# Altium PCB 42Motor_Control.PcbDoc
Units mm, origin at the board's own origin, x right, y up, seen from the top; angles counter-clockwise.
Board outline 66 x 58 mm, 2 copper layers (Top Layer, Bottom Layer); 48 components, 43 nets, 207 pads, 232 vias.
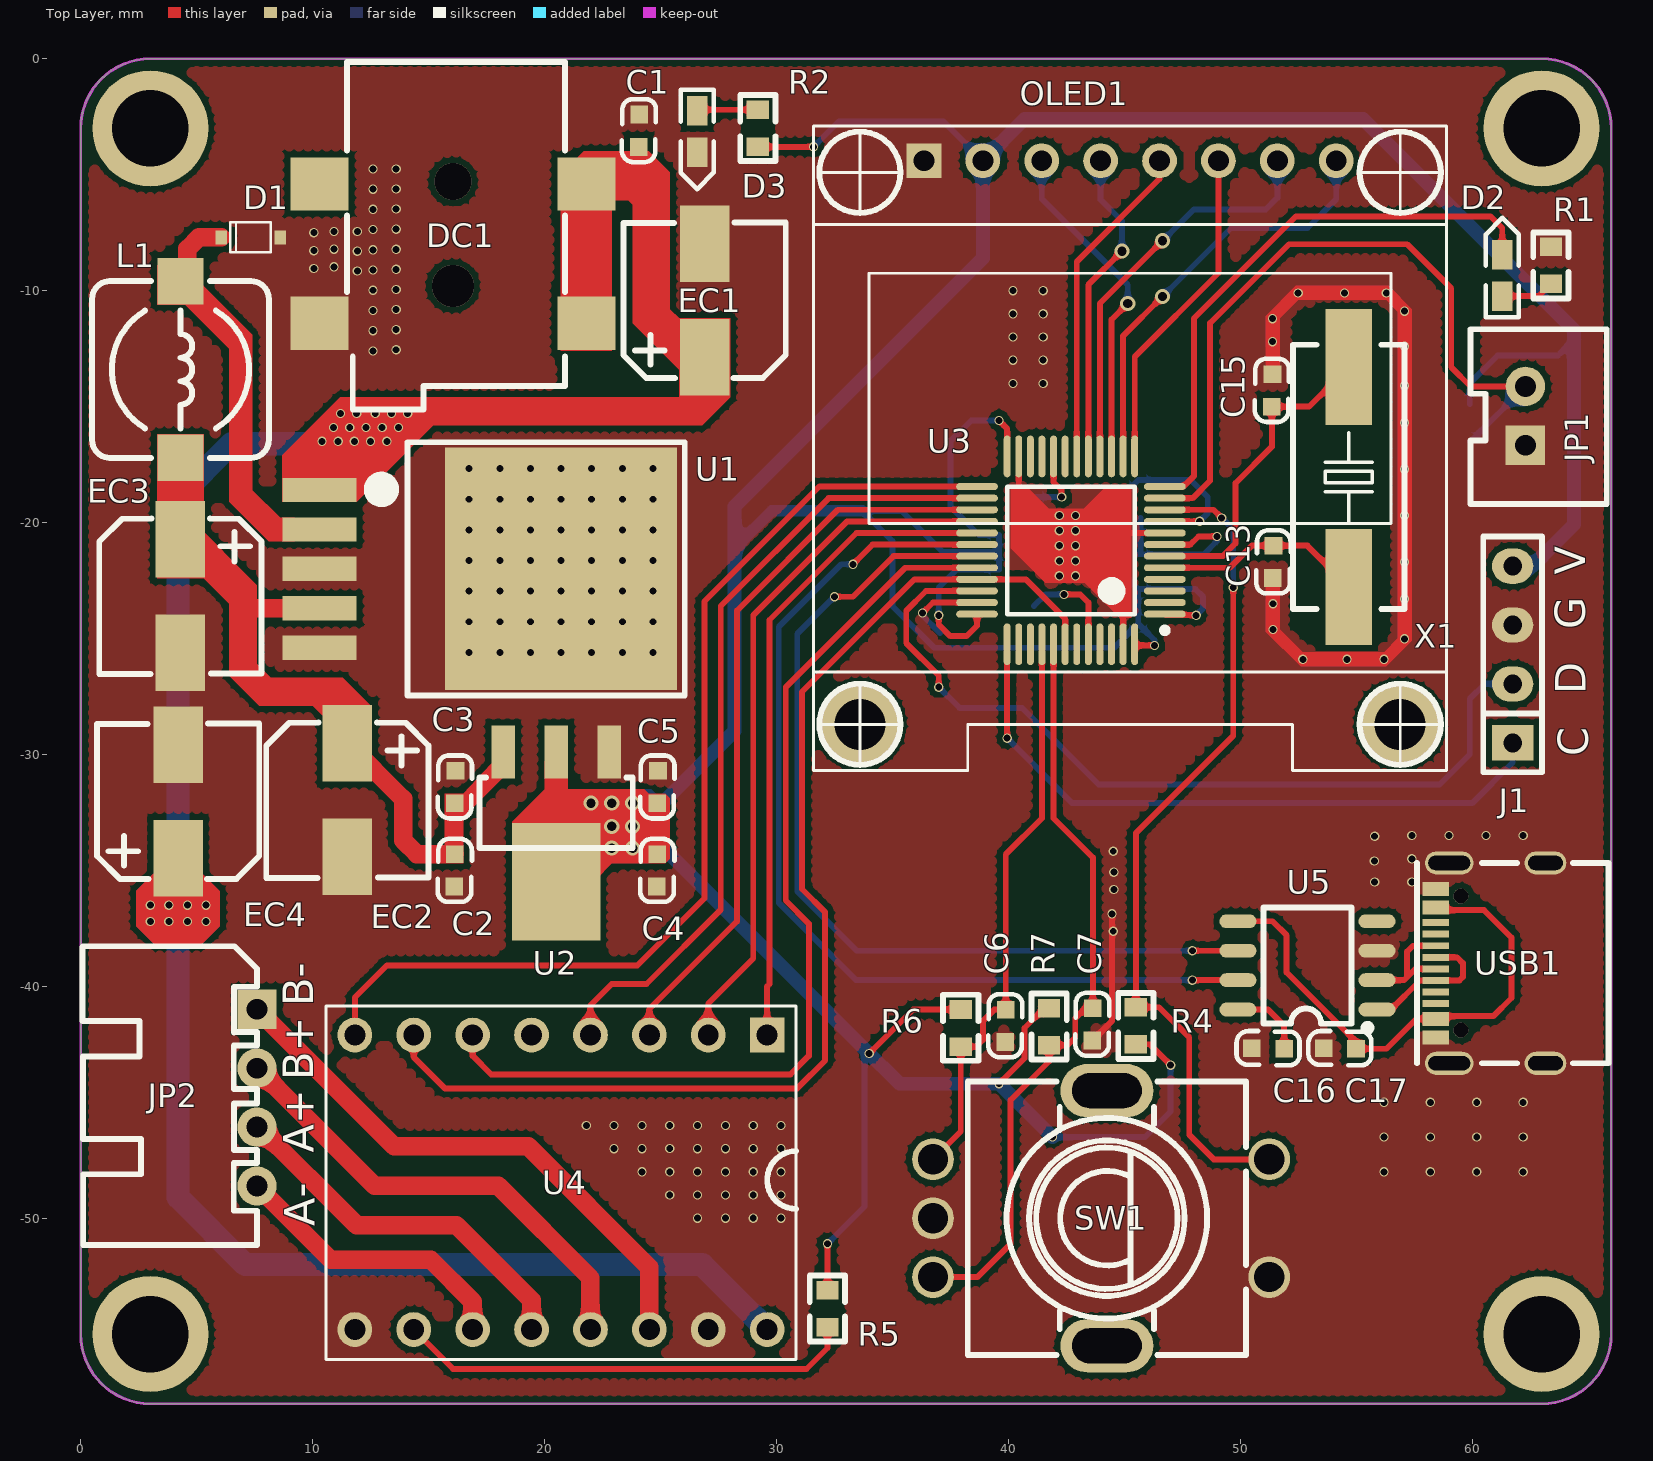
[diagram p0: Top Layer view]
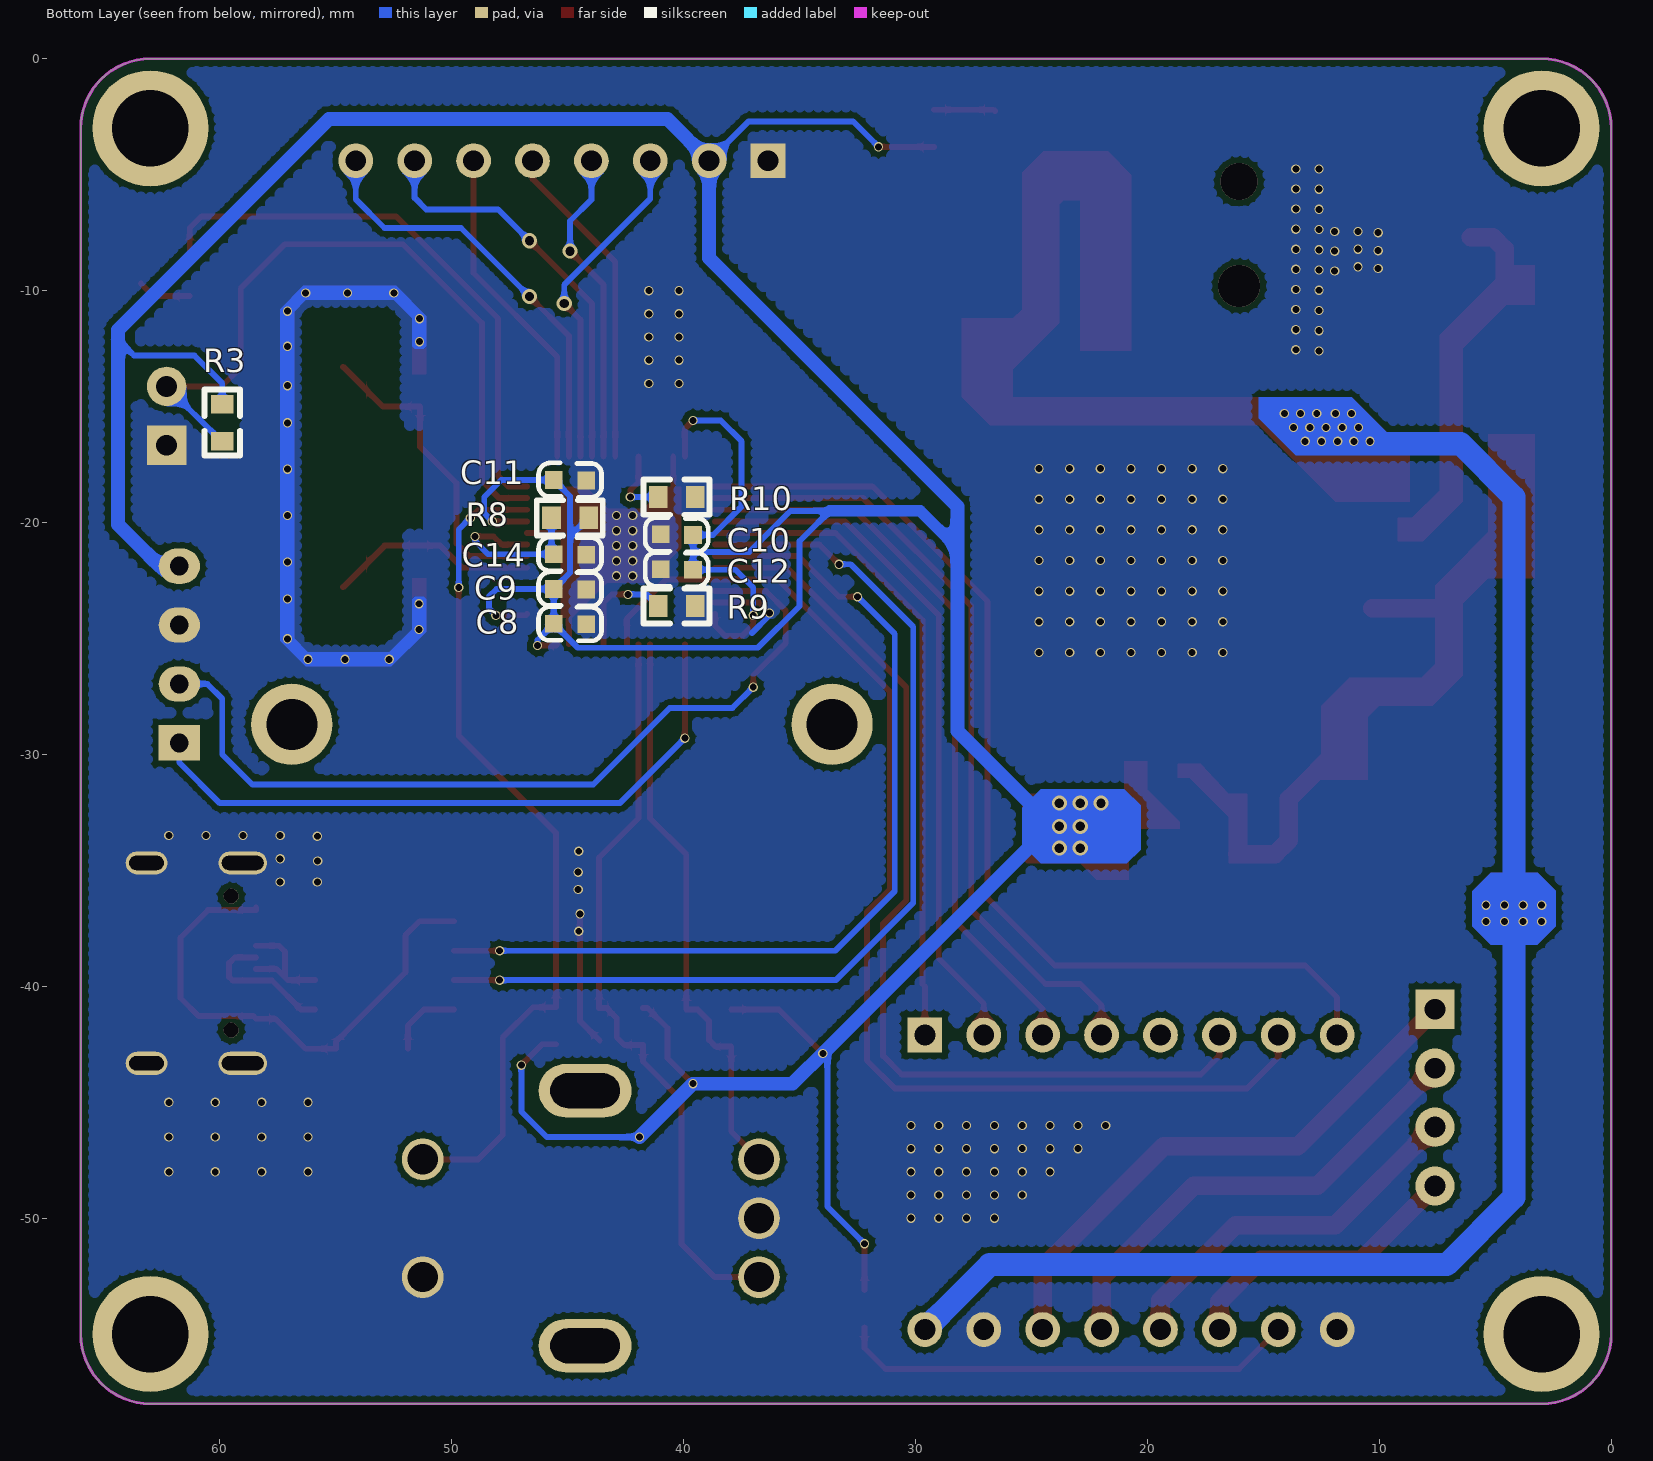
[diagram p1: Bottom Layer view, seen from below]
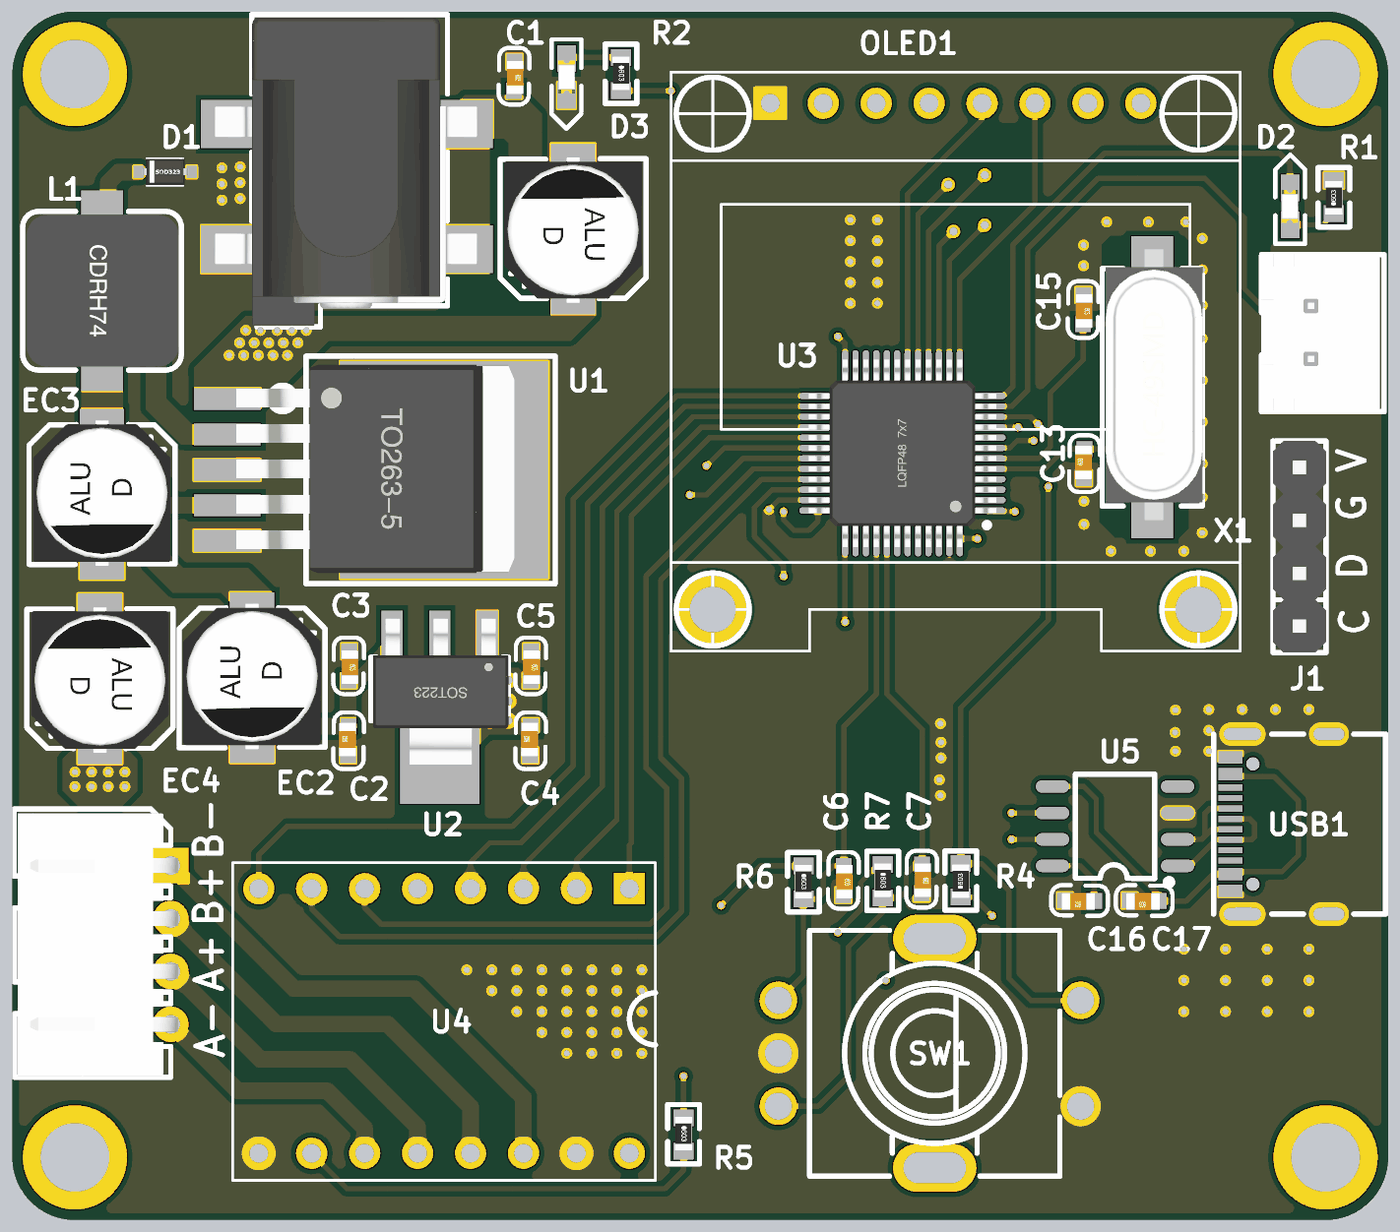
[diagram p2: 3D render of the assembled board from above, using the file's embedded part models]
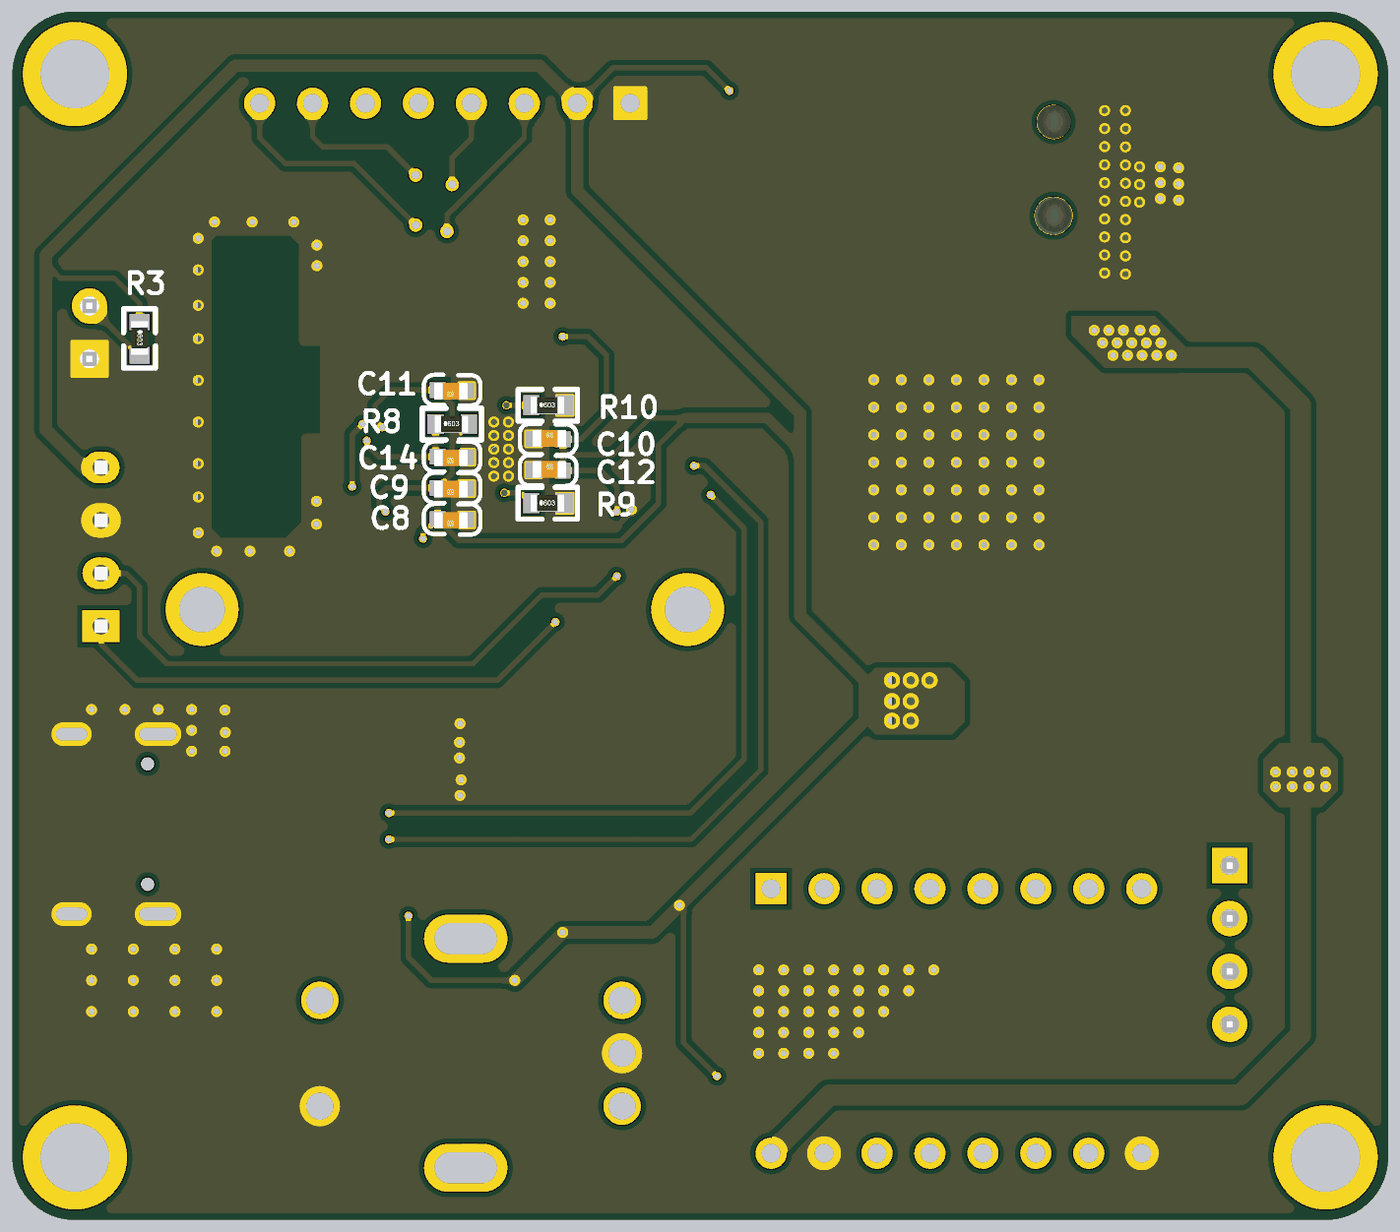
[diagram p3: 3D render of the assembled board from below, using the file's embedded part models]

## Layer stack, top to bottom
Top Solder: solder mask 0.0102, Solder Resist, Dk 3.5
Top Layer: signal copper 0.0356
Dielectric 1: dielectric 0.32, FR-4, Dk 4.8
Bottom Layer: signal copper 0.0356
Bottom Solder: solder mask 0.0102, Solder Resist, Dk 3.5

## Board outline
0,-55 0,-3 cw(c3,-3) 3,0 63,0 cw(c63,-3) 66,-3 66,-55 cw(c63,-55) 63,-58 3,-58 cw(c3,-55)

## Design rules (kind name [scope] priority, off if disabled: settings)
Clearance [(IsTrack) vs (IsTrack)] p1 off: gap=0.305
Clearance POLY [InPolygon] p2: gap=0.254
Clearance VIA-POLY [ISVIA vs InPolygon] p3: gap=0.152
Clearance all [All] p4: gap=0.152
ComponentClearance [All] p1 off: gap=0.254 collisioncheckmode=3 verticalgap=0.254 showdistances=FALSE
DiffPairsRouting DiffPair_90DiffPairsRouting [InDifferentialPairClass('90OM')] p1: maxlimit=0.178 minlimit=0.178 mostfreqgap=0.178 toplayer_minwidth=0.152 toplayer_maxwidth=0.152 toplayer_prefwidth=0.152 bottomlayer_minwidth=0.152 bottomlayer_maxwidth=0.152 bottomlayer_prefwidth=0.152 maxuncoupledlength=12.7
MatchedLengths DiffPair_90MatchedLengths [InDifferentialPair ('D_D')] p1: tolerance=25.4 checknetsindiffpair=FALSE checkdiffpairvsdiffpair=TRUE checkxsignals=TRUE checkothers=TRUE
PolygonConnect PolygonConnect_gnd [InNet('GND')] p1: connectstyle=Direct reliefconductorwidth=0.254 reliefentries=4 polygonreliefangle="90 Angle" airgapwidth=0.254
PolygonConnect PolygonConnect_via [ISVIA] p2: connectstyle=Direct reliefconductorwidth=0.254 reliefentries=4 polygonreliefangle="90 Angle" airgapwidth=0.254
PolygonConnect [All] p3: connectstyle=Relief reliefconductorwidth=0.762 reliefentries=4 polygonreliefangle="90 Angle" airgapwidth=0.254
RoutingVias [All] p1: holewidth=0.305 width=0.61 viastyle="Through Hole" minholewidth=0.305 minwidth=0.61 maxholewidth=0.305 maxwidth=0.61
SilkToSilkClearance [All] p1: silktosilkclearance=0.051
SilkToSolderMaskClearance [IsPad] p1: minsilkscreentomaskgap=0.051 clearancetoexposedcopper=TRUE
SolderMaskExpansion [All] p1: expansion=0.064
Width PWR [InNetClass('PWR')] p1: maxlimit=1.524 minlimit=0.152 preferedwidth=0.381
Width [All] p2: maxlimit=1.143 minlimit=0.152 preferedwidth=0.152
26 further rules are at their usual default settings.

## Components (designator, comment, footprint, x,y, rotation, side; value= is the part's Value field where it differs from the comment)
C1 "104" 0603C 24.1,-2.4 r270 top
C2 "10uf" 0603C 16.1,-35.7 r90 top
C3 "104" 0603C 16.169,-30.7 r270 top
C4 "104" 0603C 24.831,-35.7 r90 top
C5 "10uf" 0603C 24.9,-30.7 r270 top
C6 "104" 0603C 39.9,-41 r270 top
C7 "104" 0603C 43.655,-40.937 r270 top
C8 "104" 0603C 44.2,-24.4 r0 bottom
C9 "104" 0603C 44.2,-22.9 r0 bottom
C10 "104" 0603C 41,-20.5 r180 bottom
C11 "104" 0603C 44.2,-18.2 r0 bottom
C12 "104" 0603C 41,-22 r180 bottom
C13 "22pf" 0603C 51.4,-22.4 r90 top
C14 "10uf" 0603C 44.2,-21.4 r0 bottom
C15 "22pf" 0603C 51.4,-13.6 r270 top
C16 "104" 0603C 51.9,-42.7 r180 top
C17 "10uf" 0603C 55,-42.7 r180 top
D1 "1n5819" SOD-323 8.6,-7.7 r180 top
D2 "LED" LED-0603W 61.307,-10.237 r90 top
D3 "LED" LED-0603W 26.576,-2.249 r270 top
DC1 "DC_Socket" DC-050 21.8,-5.4 r270 top
EC1 "100uf" SMD-EC6.3X6.3X10 26.9,-12.9 r90 top
EC2 "100uf" SMD-EC6.3X6.3X10 11.5,-29.5 r270 top
EC3 "100uf" SMD-EC6.3X6.3X10 4.3,-20.7 r270 top
EC4 "100uf" SMD-EC6.3X6.3X10 4.2,-34.5 r90 top
J1 "Pin HDR1X4" "Pin HDR1X4/2.54mm-S" 61.75,-29.5 r180 top
JP1 "HDR-1X2" XH2.54-LI-2P 62.3,-15.4 r90 top
JP2 "HDR-1X4" XH2.54-WI-4P 7.6,-44.8 r270 top
L1 "100uh" CDRH74 4.3,-13.4 r270 top
OLED1 "0.96oled带字库" 中景园0.96带字库 31.6,-2.9 r0 top locked
R1 "10k" 0603R 63.4,-9.7 r90 top
R2 "10k" 0603R 29.2,-2.2 r270 top
R3 "10k" 0603R 59.9,-14.9 r270 bottom
R4 "10k" 0603R 45.5,-42.5 r90 top
R5 "0R" 0603R 32.2,-53.1 r270 top
R6 "10k" 0603R 37.95,-41 r270 top
R7 "10k" 0603R 41.755,-40.937 r270 top
R8 "10k" 0603R 45.7,-19.8 r180 bottom
R9 "10k" 0603R 41.1,-23.6 r180 bottom
R10 "10k" 0603R 41.1,-18.9 r180 bottom
SW1 "EC11E153440D" SW-TH_EC11XXXXXXXX 44,-50 r270 top locked
U1 "LM2596-5.0" TO263-5A 10.3,-22 r270 top
U2 "AMS1117" SOT223 20.5,-29.9 r180 top
U3 "STM32F103C8T6" LQFP48_N 42.7,-21.2 r180 top locked
U4 "A4988/DRV8825" A4988/DRV8825 29.6,-42.1 r270 top
U5 "CH340N" SOP-8_L4.9-W3.9-P1.27-LS6.0-BL 52.9,-39.1 r90 top
USB1 "TYPE-C16PIN" USB-C-SMD_TYPE-C16PIN 60.8,-39 r90 top locked
X1 "XTAL-2P" "OSC HC-49SMD" 54.684,-18.035 r90 top

## Footprints (in the part's own frame and the unit in brackets; to place one, negate y for a bottom-side part, rotate by r counter-clockwise, add the part's x,y. Pads: shape width x height; smd on the part's side, far side on the other; paste and mask are expansions set on the pad)
0603C [mil]
  rect 30x30 smd: 1(0.21,-0.35) 2(55.21,-1.35)
  silkscreen extent -26,-30 81,28, body extent -1,-15 62,17, height 12
0603R [mm]
  rect 0.8x0.965 smd: 1(0,0) 2(1.6,0)
  silkscreen extent -0.64,-0.76 2.21,0.76, body extent -0.04,-0.41 1.56,0.41, height 0.45
A4988/DRV8825 [mm]
  rect 1.5x1.5 hole 0.9: 1(0,0)
  round 1.5 hole 0.9: 2(0,-2.54) 3(0,-5.08) 4(0,-7.62) 5(0,-10.16) 6(0,-12.7) 7(0,-15.24) 8(0,-17.78) 9(12.7,-17.78) 10(12.7,-15.24) 11(12.7,-12.7) 12(12.7,-10.16) 13(12.7,-7.62) 14(12.7,-5.08) 15(12.7,-2.54) 16(12.7,0)
  silkscreen extent -1.25,-19.03 14,1.25
CDRH74 [mm] "7.3*7.3*4.5mm（长宽高）"
  rect 2x2 smd: 1(-3.81,0) 2(3.81,0)
  silkscreen extent -3.81,-3.81 3.81,3.81, body extent -3.65,-3.62 3.65,3.68, height 4.5
DC-050 [mm] "5.5X2.1mm"
  rect 2.3x2.5 smd: 1(0,0) 1(6,0) 2(6,-11.5) 3(0,-11.5)
  silkscreen extent -5.25,-10.32 9.73,-0.92, body extent -5.11,-12.09 9.69,0.51, height 11
LED-0603W [mil]
  rect 50x35 smd: A(0,0.26) K(70,0.26)
  silkscreen extent -36,-28 133,28, body extent 4,-15 66,17, height 24
LQFP48_N [mm] "封装库来自淘宝 ID：黄晶宝石 Thin QFP, 48-Leads, Body 7x7mm, Pitch 0.5mm, IPC Medium Density"
  oval 1.8x0.3 smd: 1(-4.05,2.75) 2(-4.05,2.25) 3(-4.05,1.75) 4(-4.05,1.25) 5(-4.05,0.75) 6(-4.05,0.25) 7(-4.05,-0.25) 8(-4.05,-0.75) 9(-4.05,-1.25) 10(-4.05,-1.75) 11(-4.05,-2.25) 12(-4.05,-2.75) 25(4.05,-2.75) 26(4.05,-2.25) 27(4.05,-1.75) 28(4.05,-1.25) 29(4.05,-0.75) 30(4.05,-0.25) 31(4.05,0.25) 32(4.05,0.75) 33(4.05,1.25) 34(4.05,1.75) 35(4.05,2.25) 36(4.05,2.75)
  oval 0.3x1.8 smd: 13(-2.75,-4.05) 14(-2.25,-4.05) 15(-1.75,-4.05) 16(-1.25,-4.05) 17(-0.75,-4.05) 18(-0.25,-4.05) 19(0.25,-4.05) 20(0.75,-4.05) 21(1.25,-4.05) 22(1.75,-4.05) 23(2.25,-4.05) 24(2.75,-4.05) 37(2.75,4.05) 38(2.25,4.05) 39(1.75,4.05) 40(1.25,4.05) 41(0.75,4.05) 42(0.25,4.05) 43(-0.25,4.05) 44(-0.75,4.05) 45(-1.25,4.05) 46(-1.75,4.05) 47(-2.25,4.05) 48(-2.75,4.05)
  silkscreen extent -4.18,-2.75 2.75,3.57, body extent -4.5,-4.5 4.5,4.5, height 1.45
"OSC HC-49SMD" [mm]
  rect 5x2 smd: 1(-4.75,0) 2(4.75,0)
  silkscreen extent -5.7,-2.4 5.7,2.4, body extent -6.37,-2.41 6.63,2.24, height 4.63
"Pin HDR1X4/2.54mm-S" [mil]
  rect 70x60 hole 32: 1(0,0)
  oval 70x60 hole 32: 2(0,-100) 3(0,-200) 4(0,-300)
  silkscreen extent -50,-350 50,50, body extent -50,-350 50,50, height 336
SMD-EC6.3X6.3X10 [mm]
  rect 3.3x2.132 smd: 1(0.021,0) 2(4.921,0)
  silkscreen extent -0.88,-3.5 5.84,3.5, body extent -1.09,-3.3 5.91,3.3, height 5.4
SOD-323 [mm] "塑封二极管"
  rect 0.5x0.6 smd: A(0,0) K(2.54,0)
  silkscreen extent 0.41,-0.65 2.16,0.65, body extent 0.02,-0.64 2.52,0.62, height 0.9
SOP-8_L4.9-W3.9-P1.27-LS6.0-BL [mm]
  oval 0.6x1.598 smd: 1(-1.905,-3) 2(-0.635,-3) 3(0.635,-3) 4(1.905,-3) 5(1.905,3) 6(0.635,3) 7(-0.635,3) 8(-1.905,3)
  silkscreen extent -2.84,-2.74 2.5,1.9
SOT223 [mil]
  rect 40x90 smd: 1(-90,0) 2(0,0) 3(90,0)
  rect 150x200 smd: 2(0,220)
  silkscreen extent -130,43 130,163, body extent -130,-30 126,246, height 65
SW-TH_EC11XXXXXXXX [mm]
  oval 2.3x4 hole 1.5 slot 3 at 90 deg: 6(5.5,0.25) 7(-5.5,0.25)
  round 1.8 hole 1.3: A(-2.54,-7.25) B(2.54,-7.25) C(0,-7.25) D(-2.54,7.25) E(2.54,7.25)
  silkscreen extent -5.9,-5.75 5.9,6.25
TO263-5A [mm] "263，5脚晶体管"
  rect 1.05x3.2 smd: 1(-3.4,0) 2(-1.7,0) 3(0,0) 4(1.7,0) 5(3.4,0)
  rect 10.45x10 smd: 3(0,10.414)
  silkscreen extent -5.46,2.29 5.46,15.75, body extent -5.05,0.45 4.95,13.78, height 4.5
USB-C-SMD_TYPE-C16PIN [mm]
  oval 1x2.099 hole 0.61 slot 1.8 at 90 deg: 1(-4.32,1.787) 2(4.32,1.787)
  oval 1x1.799 hole 0.61 slot 1.5 at 90 deg: 3(-4.32,-2.363) 4(4.32,-2.363)
  rect 0.6x1.15 smd: A1B12(-3.2,2.362) A4B9(-2.4,2.362) B1A12(3.2,2.362) B4A9(2.4,2.362)
  rect 0.3x1.15 smd: A5(-1.25,2.362) A6(-0.25,2.362) A7(0.25,2.362) A8(-1.75,2.362) B5(1.75,2.362) B6(0.75,2.362) B7(-0.75,2.362) B8(1.25,2.362)
  round 0.65 hole 0.65 unplated: ""(-2.89,1.288) ""(2.89,1.288)
  silkscreen extent -4.32,-5.08 4.32,3.17
XH2.54-LI-2P [mm] "接插件，2P  淘宝ID:黄晶宝石   店铺网址:https://shop463601444.taobao.com"
  rect 1.7x1.7 hole 0.9: 1(-1.27,0)
  round 1.7 hole 0.9: 2(1.27,0)
  silkscreen extent -3.81,-3.51 3.74,2.37, body extent -3.77,-3.3 3.77,2.4, height 7.05
XH2.54-WI-4P [mm] "接插件，4P"
  rect 1.7x1.7 hole 0.9: 1(-3.81,0)
  round 1.7 hole 0.9: 2(-1.27,0) 3(1.27,0) 4(3.81,0)
  silkscreen extent -6.53,-7.53 6.35,0, body extent -6.31,-7.35 6.31,0.35, height 5.73
中景园0.96带字库 [mm]
  rect 1.5x1.5 hole 0.9: 1(4.76,-1.5)
  round 1.5 hole 0.9: 2(7.3,-1.5) 3(9.84,-1.5) 4(12.38,-1.5) 5(14.92,-1.5) 6(17.46,-1.5) 7(20,-1.5) 8(22.54,-1.5)
  silkscreen extent 0,-27.8 27.3,0

## Part data
C1 C2 C3 C4 C5 C6 C7 C8 C9 C10 C11 C12 C13 C14 C15 C16 C17: library part CAP, "无极性电容"
D1: library part DIODE, "普通二极管"
EC1 EC2 EC3 EC4: library part SMD_ECAP, "贴片电解电容"
JP1: library part "Header 2", "2P接插件"
JP2: library part "Header 4", "4P接插件"
L1: library part INDUCTOR, "INDUCTOR"
R1 R2 R3 R4 R5 R6 R7 R8 R9 R10: library part RES
U1: "DC降压芯片"
U2: "三端稳压芯片"
U3: "STM32 ARM-based 32-bit MCU Performance Line with 64 kB Flash, 20 kB Internal RAM, -40 to +85癈 Temperature, 48-Pin LQFP, Tray"
X1: "2脚无源脚晶振"

## Free pads (board coordinates)
  round 5 hole 3.3: 0(3,-3) 0(3,-55) 0(63,-3) 0(63,-55)
  round 3.5 hole 2.2: 0(33.6,-28.7) 0(56.9,-28.7)

## Via types
v1: diameter 0.4, hole 0.3, Top Layer to Bottom Layer, 219 vias
v2: diameter 0.65, hole 0.4, Top Layer to Bottom Layer, 11 vias
v3: diameter 1.8, hole 1.8, Top Layer to Bottom Layer, 1 vias
v4: diameter 1.6, hole 1.6, Top Layer to Bottom Layer, 1 vias

## Nets (pads, with @x,y where several pads share a name; then routed paths per layer and width w, separated by ;. In a path a pad name is that pad's centre, name@x,y a point inside that pad or via, vN(x,y) a via of type N, cw(c..) or ccw(c..) an arc to the next point about the centre after c; other vN are vias at no path point)
3.3V: C4.2 C5.2 C8.2 C9.2 C10.2 C11.2 C12.2 J1.4 OLED1.2 R2.2 R3.1 R4.1 R5.1 R6.1 R7.1 R8.2 U2.2 U3.1 U3.9 U3.24 U3.36 U3.48 | length 213.3
  Top Layer w0.254: R2.2 v1(31.6,-3.8) ; R5.1 v1(32.2,-51.1) ; v1(34,-42.9) 35.9,-41 R6.1 ; v1(37,-24) 37,-24.4 37.5,-24.9 38.2,-24.9 38.65,-24.45 U3.36 ; v1(39.6,-44.2) 40.7,-43.1 40.7,-41.8 41.563,-40.937 R7.1 ; v1(39.6,-15.6) 39.95,-15.95 U3.24 ; U3.48 45.5,-25.3 v1(46.3,-25.3) ; R4.1 46.1,-42.5 v1(47,-43.4) ; U3.1 46.8,-24 v1(48.1,-24) ; U3.9 v1(48.25,-19.95)
  Bottom Layer w0.254: v1(31.6,-3.8) 32.7,-2.7 37.2,-2.7 OLED1.2 ; v1(32.2,-51.1) 33.8,-49.5 33.8,-42.7 ; v1(37,-24) 37,-22.8 37.766,-22.034 C12.2 39.598,-21.271 ; v1(39.6,-15.6) 38.4,-15.6 37.5,-16.5 37.5,-19.3 38.734,-20.534 C10.2 39.598,-21.271 ; v1(41.9,-46.5) 45.9,-46.5 47,-45.4 v1(47,-43.4) ; R8.2 44.9,-20.6 ; v1(46.3,-25.3) 46.3,-25.063 C8.2 ; v1(48.1,-24) 48.4,-23.7 48.4,-23.2 48.066,-22.866 C9.2 ; v1(48.25,-19.95) 48.6,-19.6 48.6,-18.9 47.866,-18.166 C11.2 44.9,-18.868 44.9,-20.6 ; R3.1 59.9,-14 61.1,-12.8 63.7,-12.8 64.4,-12.1 ; 39.598,-21.271 37.171,-21.271 35.4,-19.5 33.7,-19.5 35,-20.8 35,-23.6 36.8,-25.4 44.568,-25.4 C8.2 ; 44.9,-20.6 44.9,-22.163 C9.2 ; C8.2 C9.2
  Bottom Layer w0.5: 28.2,-21.1 29.8,-19.5 33.7,-19.5
  Bottom Layer w0.6: 24.6,-32.6 28.2,-29 28.2,-21.1 28.2,-19.3 38.9,-8.6 OLED1.2 40.7,-2.6 55.3,-2.6 64.4,-11.7 64.4,-12.1 64.4,-20.08 62.6,-21.88 J1.4 ; 24.9,-33.8 33.8,-42.7 35.3,-44.2 v1(39.6,-44.2) v1(41.9,-46.5)
  other v2: 22.9,-34.04 23.802,-34.04 22.9,-33.1 23.802,-33.1 22,-32.1 22.9,-32.1 23.802,-32.1
5V: C2.2 C3.2 EC2.1 EC3.1 L1.2 U1.4 U2.3 | length 10.8
  Top Layer w0.8: 7.2,-23.7 U1.4 ; EC2.1 13.9,-31.92 13.9,-33.7 14.498,-34.298 C2.2
12V: C1.2 DC1.1 EC1.1 EC4.1 U1.1 U4.16 | length 64.7
  Bottom Layer w1: 10,-16.6 6.5,-16.6 4.2,-18.9 4.2,-49.1 7.1,-52 26.8,-52 U4.16
  other v1: 3,-37.2 3.8,-37.2 4.6,-37.2 5.4,-37.2 3,-36.5 3.8,-36.5 4.6,-36.5 5.4,-36.5 10.4,-16.5 11.1,-16.5 11.8,-16.5 12.5,-16.5 13.2,-16.5 10.9,-15.9 11.6,-15.9 12.3,-15.9 13,-15.9 13.7,-15.9 11.2,-15.3 11.9,-15.3 12.7,-15.3 13.4,-15.3 14.1,-15.3
BOOT0: R9.1 U3.44 | length 4.5
  Top Layer w0.254: v1(42.4,-23.1) 43.1,-23.1 43.45,-23.45 U3.44
  Bottom Layer w0.254: R9.1 41.6,-23.1 v1(42.4,-23.1)
BOOT1: R10.1 U3.20 | length 3.1
  Top Layer w0.254: U3.20 41.95,-18.25 42.3,-18.6 v1(42.3,-18.9)
  Bottom Layer w0.254: R10.1 v1(42.3,-18.9)
CS1: OLED1.6 U3.13 | length 14.2
  Top Layer w0.254: U3.13 45.45,-12.85 49.06,-9.24 OLED1.6
CS2: OLED1.8 U3.14 | length 18.5
  Top Layer w0.254: U3.14 44.95,-11.95 v2(46.65,-10.25)
  Bottom Layer w0.254: v2(46.65,-10.25) 49.6,-7.3 52.9,-7.3 54.14,-6.06 OLED1.8
D+: U5.1 USB1.A7 USB1.B7 | length 6.1
  Top Layer w0.254: U5.1 56.495,-41.005 57.75,-39.75 USB1.B7 59.45,-39.75 59.6,-39.6 59.6,-39 59.35,-38.75 USB1.A7
D-: U5.2 USB1.A6 USB1.B6 | length 5.2
  Top Layer w0.254: U5.2 57.065,-39.735 57.2,-39.6 ; USB1.A6 57.55,-39.25 57.2,-39.6 ; USB1.B6 57.45,-38.25 57.2,-38.5 57.2,-39.6
GND: C1.1 C2.1 C3.1 C4.1 C5.1 C6.2 C7.2 C8.1 C9.1 C10.1 C11.1 C12.1 C13.1 C14.1 C15.1 C16.2 C17.2 D1.A D3.K DC1.2 EC1.2 EC2.2 EC3.2 EC4.2 J1.3 JP1.1 OLED1.1 R1.2 R9.2 R10.2 SW1.C SW1.E U1.3 U1.5 U2.1 U3.8 U3.23 U3.35 U3.47 U4.9 U4.15 U5.3 USB1.1 USB1.2 USB1.3 USB1.4 USB1.A1B12 USB1.B1A12 | length 15.4
  Top Layer w0.254: v1(36.3,-23.9) 36.75,-23.45 U3.35 ; 40.45,-19.15 U3.23 ; C7.2 44.475,-41.485 v1(44.475,-36.875) ; 44.55,-20.45 U3.8 ; U3.47 44.95,-23.637
  Bottom Layer w0.254: v1(36.3,-23.9) 36.3,-24.008 37.061,-24.769
  other v1: 26.6,-50 27.8,-50 29,-50 30.2,-50 25.4,-49 26.6,-49 27.8,-49 29,-49 30.2,-49 24.2,-48 25.4,-48 26.6,-48 27.8,-48 29,-48 30.2,-48 56.2,-48 58.2,-48 60.2,-48 62.2,-48 23,-47 24.2,-47 25.4,-46.995 26.6,-47 27.8,-47 29,-47 30.2,-47 56.2,-46.5 58.2,-46.5 60.2,-46.5 62.2,-46.5 21.8,-46 23,-46 24.2,-46 25.4,-46 26.6,-46 27.8,-46 29,-46 30.2,-46 56.2,-45 58.2,-45 60.2,-45 62.2,-45 44.525,-37.625 44.55,-35.825 55.8,-35.5 57.4,-35.5 44.55,-35.075 55.782,-34.6 57.4,-34.5 44.525,-34.175 55.8,-33.529 57.4,-33.5 59,-33.5 60.6,-33.5 62.2,-33.5 52.7,-25.9 54.6,-25.9 56.2,-25.9 16.75,-25.6 18.071,-25.6 19.392,-25.6 20.713,-25.6 22.033,-25.6 23.354,-25.6 24.675,-25.6 57.084,-25.016 51.409,-24.609 16.75,-24.279 18.071,-24.279 19.392,-24.279 20.713,-24.279 22.033,-24.279 23.354,-24.279 24.675,-24.279 51.409,-23.502 57.084,-23.3 16.75,-22.958 18.071,-22.958 19.392,-22.958 20.713,-22.958 22.033,-22.958 23.354,-22.958 24.675,-22.958 42.2,-22.3 42.9,-22.3 57.084,-21.7 16.75,-21.638 18.071,-21.638 19.392,-21.638 20.713,-21.638 22.033,-21.638 23.354,-21.638 24.675,-21.638 42.2,-21.65 42.9,-21.65 42.2,-21 42.9,-21 42.2,-20.35 42.9,-20.35 16.75,-20.317 18.071,-20.317 19.392,-20.317 20.713,-20.317 22.033,-20.317 23.354,-20.317 24.675,-20.317 42.2,-19.7 42.9,-19.7 57.084,-19.7 16.75,-18.996 18.071,-18.996 19.392,-18.996 20.713,-18.996 22.033,-18.996 23.354,-18.996 24.675,-18.996 57.084,-17.7 16.75,-17.675 18.071,-17.675 19.392,-17.675 20.713,-17.675 22.033,-17.675 23.354,-17.675 24.675,-17.675 57.084,-15.7 57.084,-14.1 40.2,-14 41.5,-14 40.2,-13 41.5,-13 12.6,-12.6 13.6,-12.55 57.084,-12.4 51.391,-12.2 40.2,-12 41.5,-12 12.6,-11.728 13.6,-11.683 51.391,-11.209 40.2,-11 41.5,-11 57.084,-10.884 12.6,-10.856 13.6,-10.817 52.5,-10.1 54.5,-10.1 56.3,-10.1 40.2,-10 41.5,-10 12.6,-9.983 13.6,-9.95 11.925,-9.15 12.6,-9.111 13.6,-9.083 10.05,-9.05 10.925,-8.975 11.925,-8.3 10.05,-8.275 12.6,-8.239 10.925,-8.213 13.6,-8.217 10.05,-7.5 10.925,-7.45 11.925,-7.45 12.6,-7.367 13.6,-7.35 12.6,-6.494 13.6,-6.483 12.6,-5.622 13.6,-5.617 12.6,-4.75 13.6,-4.75
LED-CTR: D2.K U3.12 | length 24.7
  Top Layer w0.254: U3.12 47.55,-18.45 48,-18 48,-11.2 52.4,-6.8 60.8,-6.8 61.301,-7.301 D2.K
MOTOR_A+: JP2.3 U4.12 | length 16.1
  Top Layer w0.8: JP2.3@7.67,-46.07 11.9,-50.3 16.2,-50.3 19.44,-53.54 U4.12
MOTOR_A-: JP2.4 U4.11 | length 12.6
  Top Layer w0.8: JP2.4 10.79,-51.8 15.1,-51.8 16.9,-53.6 U4.11
MOTOR_B+: JP2.2 U4.13 | length 20.3
  Top Layer w0.8: JP2.2 12.67,-48.6 18,-48.6 21.98,-52.58 U4.13
MOTOR_B-: JP2.1 U4.14 | length 24.2
  Top Layer w0.8: JP2.1 13.51,-46.9 19.3,-46.9 24.52,-52.12 U4.14
MOTOR_DIR: U3.25 U4.8 | length 45.1
  Top Layer w0.254: U4.8 11.82,-40.48 13.2,-39.1 24,-39.1 26.9,-36.2 26.9,-23.4 31.85,-18.45 U3.25
MOTOR_EN: U3.29 U4.1 | length 28.4
  Top Layer w0.254: U4.1 29.6,-40 29.7,-39.9 29.7,-24.2 33.45,-20.45 U3.29
MOTOR_M1: U3.28 U4.2 | length 30.2
  Top Layer w0.254: U4.2 27.06,-40.74 29,-38.8 29,-24 33.05,-19.95 U3.28
MOTOR_M2: U3.27 U4.3 | length 32
  Top Layer w0.254: U4.3 24.52,-40.98 28.3,-37.2 28.3,-23.8 32.65,-19.45 U3.27
MOTOR_M3: U3.26 U4.4 | length 34.7
  Top Layer w0.254: U4.4 21.98,-40.82 22.9,-39.9 24.4,-39.9 27.6,-36.7 27.6,-23.6 32.25,-18.95 U3.26
MOTOR_SLP: U3.32 U4.6 | length 42.8
  Top Layer w0.254: U4.6 16.9,-43 17.7,-43.8 30.6,-43.8 31.4,-43 31.4,-37.3 30.4,-36.3 30.4,-27.1 35.55,-21.95 U3.32
MOTOR_STEP: U3.33 U3.42 U4.7 | length 51.2
  Top Layer w0.254: U4.7 14.36,-43.06 15.7,-44.4 30.9,-44.4 32.1,-43.2 32.1,-36.8 31.1,-35.8 31.1,-27.3 35.95,-22.45 U3.33 40.75,-22.45 42.45,-24.15 U3.42
NetC16_1: C16.1 U5.8 | length 3.3
  Top Layer w0.254: U5.8 51.205,-41.005 51.895,-41.695 C16.1
NetD1_K: D1.K L1.1 U1.2 | length 3.1
  Top Layer w0.8: L1.1@4.6,-9.59 4.6,-8.2 5.1,-7.7 D1.K
NetD2_A: D2.A R1.1 | length 2.3
  Top Layer w0.254: D2.A 62.863,-10.237 R1.1
NetD3_A: D3.A R2.1 | length 2.6
  Top Layer w0.254: D3.A 26.632,-2.2 R2.1
NetR5_2: R5.2 U4.10 | length 19.8
  Top Layer w0.254: U4.10 16.06,-56.5 31.3,-56.5 32.2,-55.6 R5.2
NRST: C14.2 R8.1 U3.7 | length 7.8
  Top Layer w0.254: U3.7 47.85,-20.95 48.2,-20.6 v1(49,-20.6)
  Bottom Layer w0.254: R8.1 45.7,-21.268 C14.2 48.434,-21.366 49,-20.8 v1(49,-20.6)
OLED-DC: OLED1.5 U3.18 | length 14.2
  Top Layer w0.254: U3.18 42.95,-8.75 46.52,-5.18 OLED1.5
OSC-IN: C13.2 U3.5 X1.1 | length 9.1
  Top Layer w0.254: U3.5 49.55,-21.95 50.502,-20.998 C13.2 52.897,-20.998 X1.1
OSC-OUT: C15.2 U3.6 X1.2 | length 13.9
  Top Layer w0.254: U3.6 49.25,-21.45 49.8,-20.9 49.8,-18.3 51.366,-16.734 C15.2 52.967,-15.002 X1.2
PA0: R4.2 SW1.D U3.10 | length 36.6
  Top Layer w0.254: U3.10 48.85,-19.45 v1(49.2,-19.8) ; v1(49.7,-22.8) 49.7,-29.2 45.5,-33.4 R4.2 46.5,-40.9 47.8,-42.2 47.8,-46.4 48.86,-47.46 SW1.D
  Bottom Layer w0.254: v1(49.2,-19.8) 49.7,-20.3 v1(49.7,-22.8)
PA1: JP1.2 R3.2 U3.11 | length 32
  Top Layer w0.254: U3.11 47.95,-18.95 48.7,-18.2 48.7,-11.4 52.1,-8 57.2,-8 59.1,-9.9 59.1,-13.3 59.93,-14.13 JP1.2
  Bottom Layer w0.254: R3.2 59.93,-16.5 JP1.2
SPI1-MISO: OLED1.7 U3.16 | length 17.7
  Top Layer w0.254: U3.16 43.95,-10.55 v2(46.65,-7.85)
  Bottom Layer w0.254: v2(46.65,-7.85) 48,-6.5 51.1,-6.5 51.6,-6 OLED1.7
SPI1-MOSI: OLED1.4 U3.17 | length 13.7
  Top Layer w0.254: U3.17 43.45,-9.75 v2(44.9,-8.3)
  Bottom Layer w0.254: OLED1.4 43.98,-6.08 44.9,-7 v2(44.9,-8.3)
SPI1-SCK: OLED1.3 U3.15 | length 14.6
  Top Layer w0.254: U3.15 44.45,-11.25 v2(45.15,-10.55)
  Bottom Layer w0.254: OLED1.3 41.44,-6.04 45.15,-9.75 v2(45.15,-10.55)
SWCLK: J1.1 U3.37 | length 28.6
  Top Layer w0.254: v1(39.95,-29.3) U3.37
  Bottom Layer w0.254: v1(39.95,-29.3) 42.75,-32.1 60,-32.1 61.75,-30.35 J1.1
SWDIO: J1.2 U3.34 | length 37
  Top Layer w0.254: v1(37,-27.1) 37,-26.6 35.6,-25.2 35.6,-23.8 36.45,-22.95 U3.34
  Bottom Layer w0.254: v1(37,-27.1) 37.9,-28 40.6,-28 43.9,-31.3 58.6,-31.3 59.9,-30 59.9,-27.6 60.54,-26.96 J1.2
TIM3-CH1: C6.1 R6.2 SW1.A U3.40 | length 24.8
  Top Layer w0.254: SW1.A 37.95,-46.26 R6.2 38.612,-42.6 38.9,-42.312 38.9,-41.5 39.395,-41.005 C6.1 39.891,-34.309 41.45,-32.75 U3.40
TIM3-CH2: C7.1 R7.2 SW1.B U3.41 | length 32.6
  Top Layer w0.254: SW1.B 38.66,-52.54 40.1,-51.1 40.1,-44.9 41.755,-43.245 R7.2 42.555,-42.537 42.884,-42.208 42.884,-41.374 43.316,-40.943 C7.1 43.646,-34.446 41.95,-32.75 U3.41
U1-RX: U3.31 U5.6 | length 40.3
  Top Layer w0.254: v1(32.5,-23.2) 33.3,-23.2 35.05,-21.45 U3.31 ; v1(47.935,-38.465) U5.6
  Bottom Layer w0.254: v1(32.5,-23.2) 30.9,-24.8 30.9,-35.9 33.465,-38.465 v1(47.935,-38.465)
U1-TX: U3.30 U5.7 | length 43.1
  Top Layer w0.254: v1(33.3,-21.8) 34.15,-20.95 U3.30 ; v1(47.935,-39.735) U5.7
  Bottom Layer w0.254: v1(33.3,-21.8) 32.8,-21.8 30.1,-24.5 30.1,-36.4 33.4,-39.7 ; 33.435,-39.735 v1(47.935,-39.735)
VBUS: C17.1 U5.5 USB1.A4B9 USB1.B4A9 | length 22.6
  Top Layer w0.254: U5.5 51.395,-37.195 52,-37.8 52,-39.4 54.995,-42.395 C17.1 56.309,-42.691 57.6,-41.4 USB1.A4B9 58.552,-41.286 60.914,-41.286 61.7,-40.5 61.7,-37.9 60.514,-36.714 58.438,-36.714 USB1.B4A9
pads on no net: DC1.3 SW1.6 SW1.7 U3.2 U3.3 U3.4 U3.19 U3.21 U3.22 U3.38 U3.39 U3.43 U3.45 U3.46 U4.5 U5.4 USB1. USB1.A5 USB1.A8 USB1.B5 USB1.B8
copper on no net:
  other v3: 16.05,-9.8
  other v4: 16.05,-5.3

## Polygon pours and split planes (outlines as drawn)
GND on Top Layer "Top Layer-No Net" (hatched 90Degree grid 0.4 track 0.5, remove dead copper, pour order 0): 0,0 66.1,0 66.1,-57.9 66,-58 0,-58
GND on Bottom Layer "Top Layer-No Net" (hatched 90Degree grid 0.4 track 0.5, remove dead copper, pour order 2): 0,0 66,0 66,-58 0,-58

## Keep-outs
Keep-Out Layer:
  the board outline again, w0.127

## Other copper
Top Layer:
  region net 12V: 3.18,-35.1 2.4,-35.88 2.4,-37.4 3.2,-38.2 5.2,-38.2 6,-37.4 6,-35.906 5.194,-35.1
  pour cut-out: 51,-15.8 52,-15.8 52,-11.1 52.6,-10.5 56.3,-10.5 56.7,-10.9 56.7,-24.9 56.1,-25.5 52.8,-25.5 51.9,-24.6 51.9,-20.5 51,-20.5
  region net GND: 51.1,-22.4 51.7,-22.4 51.7,-24.6 52.7,-25.6 56.2,-25.6 56.8,-25 56.8,-10.9 56.3,-10.4 52.5,-10.4 51.7,-11.2 51.7,-13.6 51.1,-13.6 51.1,-11.1 52.4,-9.8 56.4,-9.8 57.4,-10.8 57.4,-25.1 56.3,-26.2 52.6,-26.2 51.1,-24.7
  region net 5V: 17.7,-30.4 18.7,-30.4 18.7,-31 18.2,-31 16.5,-32.7 16.5,-34.7 15.7,-34.7 15.7,-31.7 16.5,-31.7
  region net 3.3V: 18.6,-32.9 20,-31.5 20,-30.3 21,-30.3 21,-31.5 22.4,-32.9 22.4,-33.2 18.6,-33.2
  region net 5V: 3.3,-19.8 4.7,-19.8 7.6,-22.7 7.6,-26.1 8.2,-26.7 11.3,-26.7 12.5,-27.9 12.5,-31.1 10.5,-31.1 10.5,-28.4 10,-27.9 7.7,-27.9 6.4,-26.6 6.4,-23.5 4.9,-22 3.3,-22
  region net 5V: 3.3,-16.2 5.3,-16.2 5.3,-22.4 3.3,-22.4
  region net NetD1_K: 9.2,-19.8 9.2,-20.8 8.1,-20.8 6.4,-19.1 6.4,-12.5 4.5,-10.6 3.3,-10.6 3.3,-8.9 4.4,-8.9 7.4,-11.9 7.4,-18.6 8.6,-19.8
  region net 12V: 25.8,-13.4 28,-13.4 28,-14.6 26.8,-15.8 15.2,-15.8 11.9,-19.1 8.7,-19.1 8.7,-17.1 11.2,-14.6 25.8,-14.6
  region net 12V: 20.7,-12.6 20.7,-5 21.7,-4 24.5,-4 25.4,-4.9 25.4,-10.8 25.8,-11.2 28,-11.2 28,-14.6 27,-14.6 23.8,-11.4 23.8,-6.3 23.6,-6.1 22.9,-6.1 22.9,-12.6
  region net 3.3V: 24.5,-31.7 25.2,-31.7 25.4,-31.9 25.4,-34.5 25.2,-34.7 22.9,-34.7 22.2,-35.4 20.8,-35.4 20.8,-31.7 21,-31.5 24.3,-31.5
  pour cut-out: 20.3,-12.7 20.3,-14.4 23.5,-14.4 23.5,-12.7
  pour cut-out: 60.6,-13.8 60.1,-13.8 59.4,-13.1 59.4,-9.9 57,-7.5 57,-7.1 60.7,-7.1 60.9,-7.3 60.9,-7.7 60.7,-7.7 60.6,-7.8
  pour cut-out: 47.2,-5.1 48.6,-5.1 48.8,-5.3 48.8,-9.1 47.6,-10.3 47.2,-10.3 47.2,-10.2 46.8,-9.8 46.4,-9.8 46.4,-9.9 46.1,-10.2 46.1,-10.4 45.7,-10.4 45.2,-9.9 45.2,-9.7 46.6,-8.3 46.8,-8.3 47.1,-8 47.1,-7.7 46.8,-7.4 46.6,-7.4 46.5,-7.5 46.3,-7.5 46.3,-7.7 46.2,-7.8 46.2,-8 46.1,-8 45.8,-8.3 45.4,-8.3 45.4,-8.2 45.1,-7.9 45,-7.9 44.7,-7.6 44.7,-7.4 46.8,-5.3 46.8,-5.2
  pour cut-out: 12.5,-42.6 13.6,-42.6 13.6,-42.1 13.5,-42 13.7,-41.8 13.7,-41.6 13.9,-41.6 14.2,-41.3 14.9,-41.3 15.1,-41.5 15.1,-41.9 15.2,-42 15.2,-42.5 15,-42.7 14.9,-42.7 14.9,-42.9 14.8,-43 14.8,-43.1 15.7,-44 15.7,-44.1 17.2,-44.1 17.3,-44.2 23.3,-44.2 23.3,-39.5 22.9,-39.1 13.2,-39.1 11.82,-40.48
  region net GND: 40.1,-18.45 40.785,-18.45 41.735,-19.4 43.25,-19.4 44.2,-18.45 45.3,-18.45 45.3,-24.1 44.8,-24.1 43.3,-22.6 41.6,-22.6 40.1,-21.1
Bottom Layer:
  pour cut-out: 39.95,-28.375 39.95,-28.925 39.954,-28.925 42.779,-31.75 43.975,-31.75 43.975,-31.725 40.65,-28.4
  region net 3.3V: 21,-31.5 20.3,-32.2 20.3,-34.1 20.9,-34.7 24.6,-34.7 25.4,-33.9 25.4,-32.3 24.6,-31.5
  region net 12V: 3.18,-35.1 2.4,-35.88 2.4,-37.4 3.2,-38.2 5.2,-38.2 6,-37.4 6,-35.906 5.194,-35.1
  region net 12V: 11.2,-14.6 15.2,-14.6 15.2,-15.5 13.6,-17.1 9.6,-17.1 9.6,-16.2
  pour cut-out: 51,-15.8 52,-15.8 52,-11.1 52.6,-10.5 56.3,-10.5 56.7,-10.9 56.7,-24.9 56.1,-25.5 52.8,-25.5 51.9,-24.6 51.9,-20.5 51,-20.5
  region net GND: 51.1,-12.4 51.2,-12.5 51.6,-12.5 51.7,-12.4 51.7,-11.2 52.5,-10.4 56.3,-10.4 56.8,-10.9 56.8,-25 56.2,-25.6 52.7,-25.6 51.7,-24.6 51.7,-23.3 51.6,-23.2 51.2,-23.2 51.1,-23.3 51.1,-24.7 52.6,-26.2 56.3,-26.2 56.4,-26.1 57.4,-25.1 57.4,-10.8 56.4,-9.8 52.4,-9.8 51.1,-11.1

## Silkscreen, mask and mechanical layers (free items; w line width, h text height)
Top Overlay:
  text "V" at 64.875,-22.25 h1.3 r90
  text "G" at 64.875,-24.6 h1.3 r90
  text "D" at 64.9,-27.4 h1.3 r90
  text "C" at 65,-30.075 h1.3 r90
  text "B-" at 10.025,-40.85 h1.3 r90
  text "B+" at 10.025,-44.05 h1.3 r90
  text "A+" at 10.05,-47.175 h1.3 r90
  text "A-" at 10.1,-50.35 h1.3 r90